# EAGLE board Mk4 Final a Panel score (EAGLE 9.0.1), part 12 of 24
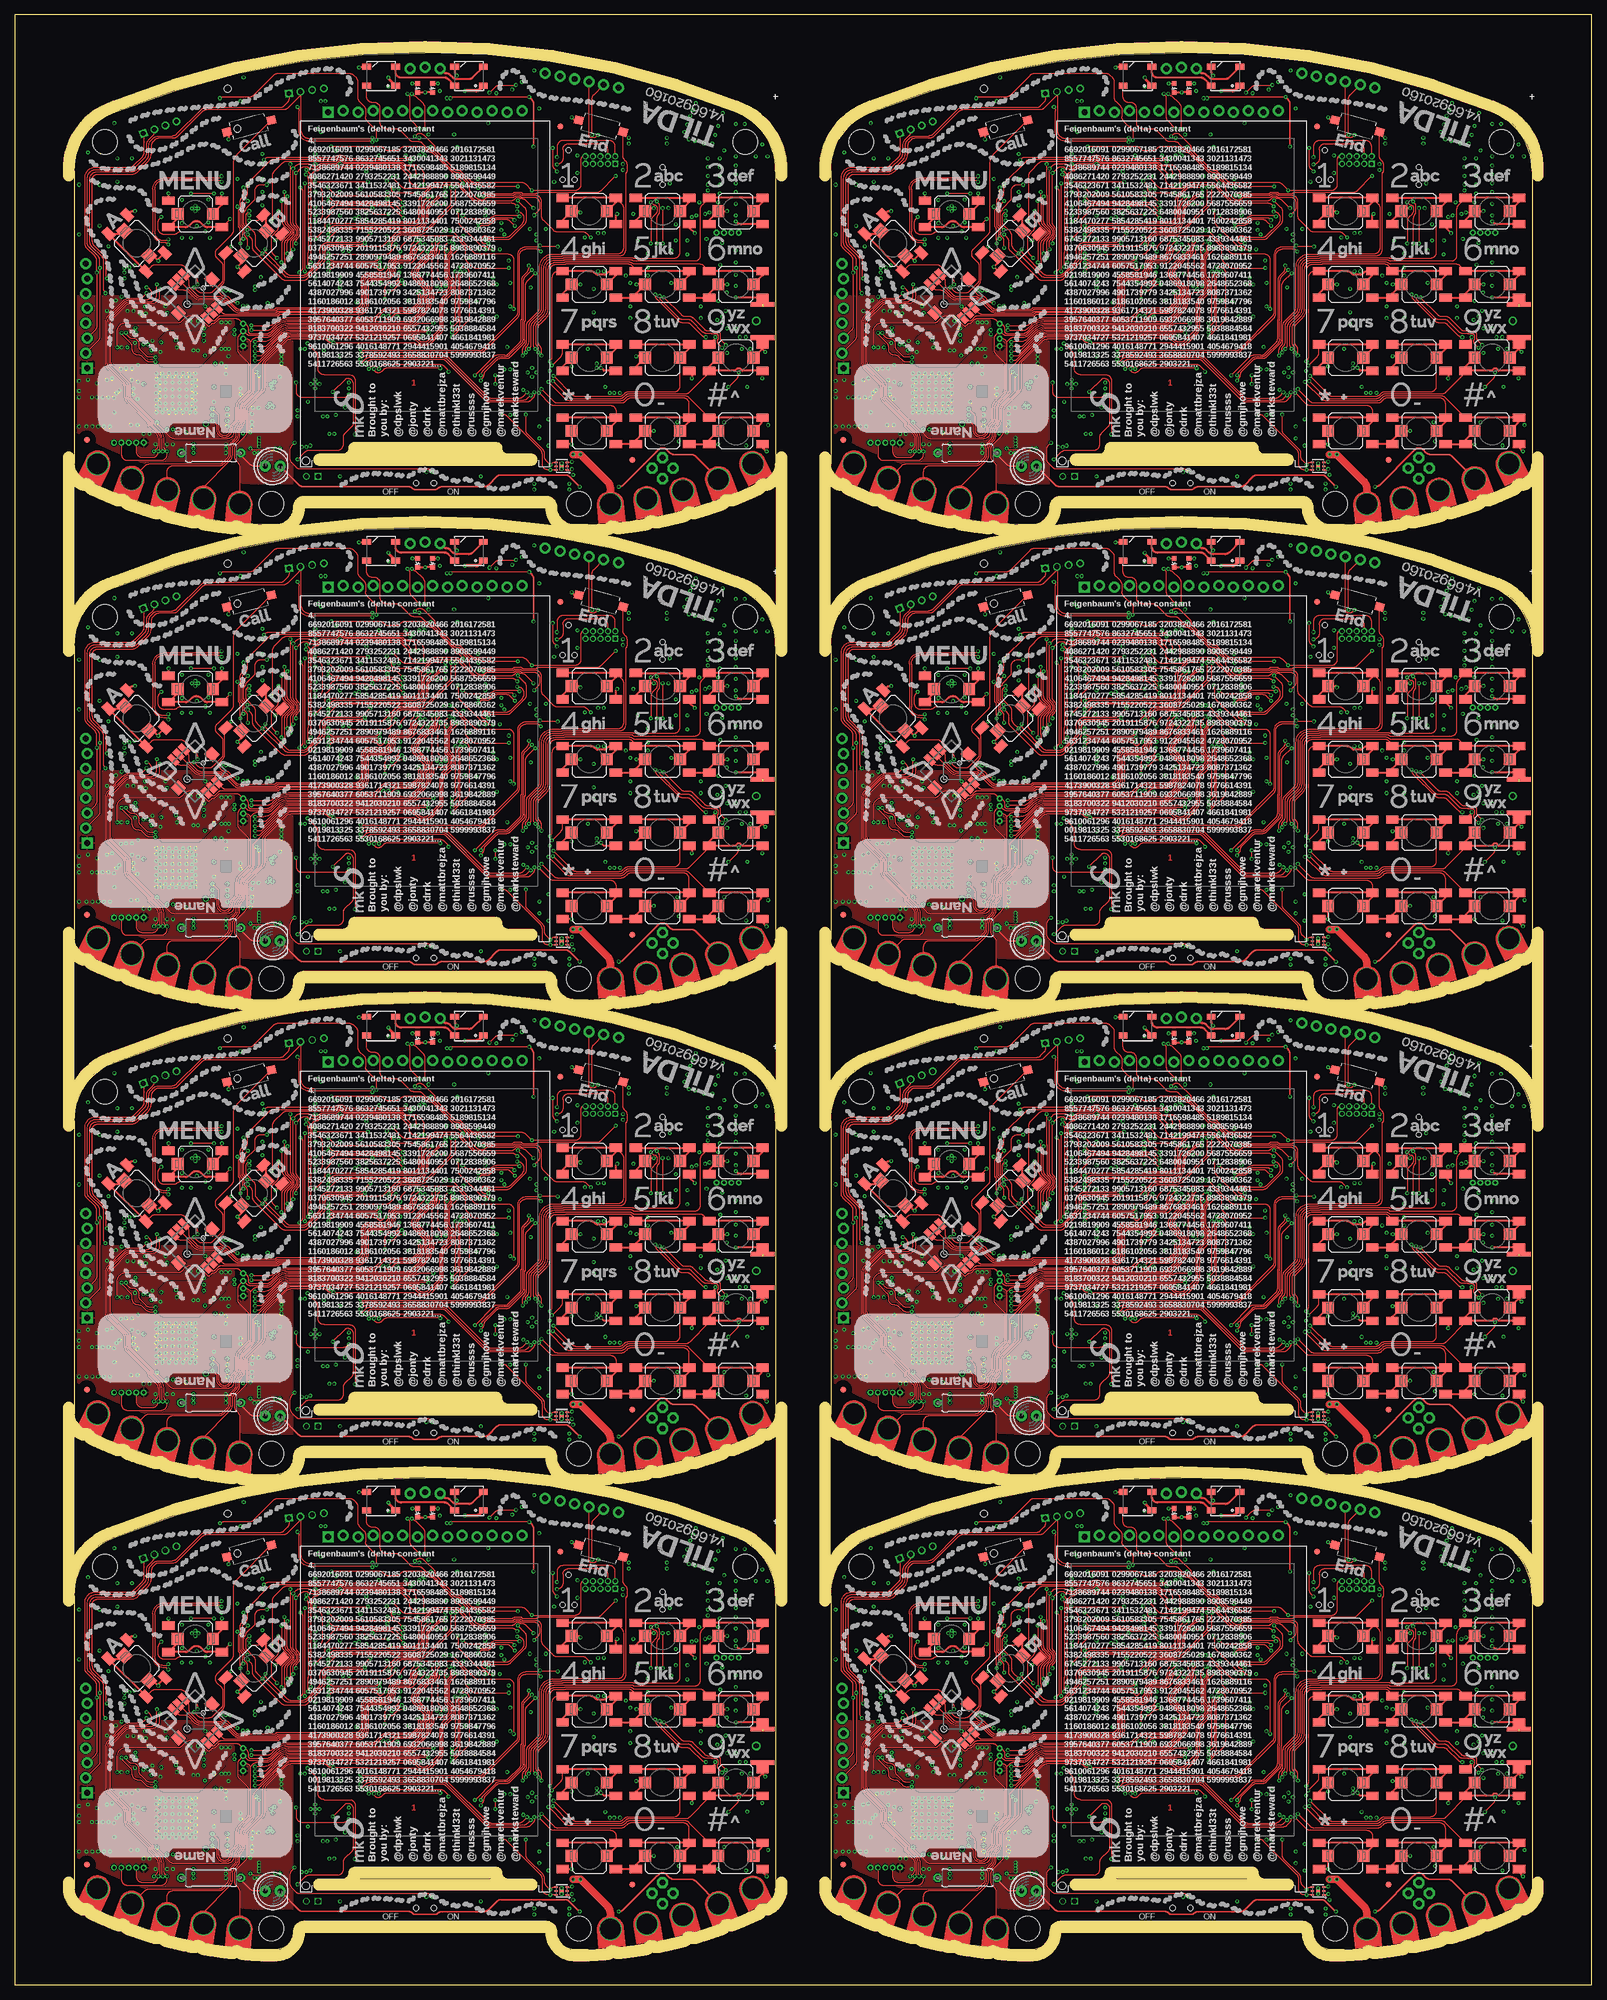
[diagram p0: board, top side]
## Tracks (layer width: path | path; a pad name or v marks a point on that pad's centre or on a via) (continued)
GND4  (via drill 0.3)  (1 unrouted) (continued)
  Top 0.3: S91.1 105.95,194.95 S91.A1 | S87.A1 93.45,194.95 S87.1 v95,195 | S88.A1 93.45,182 93.7,181.75 v95,181.75 S88.1 | S96.1 118.45,182.45 S96.A1 | S95.1 127.55,198.05 S95.A1 | 118.45,219.5 118.45,219.95 S93.1 v121.5,221.5 | 118.45,219.5 S93.A1 | S89.A1 105.95,219.95 S89.1 108,222 v109,222 | S85.A1 93.45,219.95 S85.1 96.25,221.5 v96.5,221.25 | S86.A1 93.45,207.45 S86.1 v96.5,209 | 105.95,207 105.95,207.45 S90.1 v106.05,209 | 105.95,207 S90.A1 | S85.A2 102.55,220.8 v102.75,221 | 118.2,219.25 118.45,219.5 | S94.A2 v123,206.75 | v121.5,209 S94.1 118.45,207.45 S94.A1 S90.A2 | 102.5,194.3 S87.A2 100.5,194.25 v100,194.75 | S91.1 107,197 | S96.A2 127.5,181.75 127.5,181.25 v128.25,180.5 | S92.A2 S96.A1 | v109,184 S92.1 105.95,182.45 S92.A1 S88.A2 | S86.A2 105.7,206.75 105.95,207 | S101.1 95.49,237.01 v95,237.5 | LED27.C v70.03,241.75 LED28.C | LED25.3 59.95,246 v58.75,246 | S93.A2 123.91,219.25 arc-45 123.21,219.54 v123,219.75 | 25.61,214.39 S98.A1 24.5,213.26 v24.5,213 23.62,213.88 S98.1 | S98.A2 19.57,221.21 arc-45 20.28,221.5 v20.5,221.5 | S96.A1 v120,181.75 | S89.A2 115.05,218.7 v116,217.75 | S91.1 107.25,196.75 v106,196.75 | S91.A2 115.5,193.8 v115.5,193 | S99.A2 v26.25,224.5 | S99.1 35.35,222.55 S99.A1 v35.35,224.5 | S100.1 36.5,234.72 v36.5,233.75 | S97.A1 38.81,211.19 v38,212 38.68,212.68 S97.1 | v44.5,216.5 45.61,217.61 S97.A2 | LED26.3 75.05,245.36 arc45 75.34,244.66 v75.4,244.6 | S95.A2 119.5,199.8 v119.5,200 | S95.A1 127.55,197.95 v128,197.5 | S95.A1 127.53,198.76 J49.G@4
  Top 0.4: S94.A2 127.53,206.74 J49.G@3
  GND@3 0.4: v32.45,196.85 29.8,194.2 v29.8,193.85 | v27.5,199.5 26.75,198.75 26.75,194.6 v27.5,193.85 | v25,199.1 25.75,198.35 25.75,194.4 v26.3,193.85
  Bottom 0.15: J41.32 66.75,206.25 | J41.31 67.25,206 | J41.30 67.75,206 | J41.29 68.25,206 | J41.28 68.75,206 | J41.27 69.25,206 | J41.26 69.75,206 | J41.25 70.25,206 | J41.24 70.75,206 | J41.23 71.25,206 | J41.22 71.75,206 | J41.21 72.25,206 | J41.20 72.75,206 | J41.19 73.25,206 | J41.18 73.75,206 | J41.17 74.25,206 | J41.16 74.75,206 | J41.15 75.25,206 | J41.14 75.75,206 | J41.13 76.25,206 | J41.12 76.75,206 | J41.11 77.25,206 | IC74.58 v63.6,224.8 | IC74.55 v63.6,223.6 | IC77.3 85.05,242 v84.85,242.2 | ANT10.3 116.79,239.9 v116.15,239.9 | v115.7,238.75 115.8,238.65 115.94,238.65 115.84,238.75 v115.7,238.75 | ANT10.2 116.05,238.4 v115.7,238.75 | ANT10.4 120.28,238.2 v120.75,238.2 | IC83.PAD v28.1,191.1 | IC83.PAD v26.9,191.1 | IC83.PAD v26.9,189.9 | IC83.PAD v28.1,189.9 | v26.9,192.3 27.5,192.9 v27.5,193.85 | v26.3,193.85 26.3,192.9 v25.7,192.3 25.75,192.35 | v29.3,192.3 29.3,193.35 v29.8,193.85 | v85.5,186.75 C534.2 86,187.5 arc90 86.5,188 86.5,188.5 arc90 86,189 IC86.2 85.46,189 arc45 85.1,188.85 84.9,188.65 arc-45 84.54,188.5 IC86.4 | C536.2 94.45,178.5 | v111.25,234 C485.2 | C488.2 v111.25,233 | C486.2 v104.75,234 | C484.2 v104.75,233 | v28.55,223.4 28.25,223.7 R389.2
  Bottom 0.2: C447.1 72.6,211.85 IC74.10 | IC74.17 69.8,212.01 arc-45 69.65,211.65 C446.1 v69.5,210.75 | IC74.48 61.46,220.8 arc-45 C444.1 | IC74.114 78.74,220.4 arc45 79.44,220.69 C443.1 | IC74.80 69.8,230.05 69.97,230.22 | X20.4 17.88,189.43 17.7,189.6 v16.9,189.6 | X20.2 19.73,185.07 v19.8,185 | IC85.23 85.8,194.75 arc-45 85.66,194.81 85.25,195.22 arc-90 85.25,195.25 | 85.25,195.25 v85.25,195.5 | IC85.24 85.25,195.25 | IC85.18 87,191.25 v86.75,191 | IC85.9 v91.25,194.25 | IC78.17 50.5,189.5 v50,189 IC78.18 | J44.GND4 121,184.05 | 94.45,178.5 arc45 v95.05,178.75 | v35.3,225.5 C538.2 | IC80.4 91.97,225.72 C503.1
  Bottom 0.25: J41.50 57.75,205.45 v58.25,205.95 | J41.49 v58.25,205.95 | J41.48 58.75,205.45 v58.25,205.95 | J41.43 61.25,206 | J41.6 v79.75,203.5 | v72,208.75 72,209.62 C448.1 72.25,210.12 C447.1 | v60,221.1 C444.1 | v80.25,220.75 C443.1 | v70,231 C445.1 69.97,230.22 | C442.1 C450.1 v71,232.45 | v59,225.25 R321.2 | C449.1 69.05,232.25 v69.65,231.65 | v79.5,176.25 S103.1 | v55.5,176.25 S104.1 | C453.1 v66.7,231 | C452.1 v62.1,231 | v75.5,232.45 C451.1 | R383.2 v29.25,183.75 | v31.35,221.95 IC82.PAD v30.8,221.5 | C468.2 42.88,183.22 | v89.45,239 C439.1 | v72.5,242 C437.1
  Bottom 0.3: 81.45,242.3 v82.15,241.6 | v36,195 R382.2 | v18.25,198.25 C511.1 | v20.5,199 20.62,198.88 C516.2 | v100.5,211.25 C494.2 | v99.5,211.25 C491.2 | v100.5,217.75 C490.2 | C492.2 v99.5,217.75 | IC75.8 104.1,210.65 v104.25,210.5 | R356.2 v98.75,208.25 | R348.2 v98.75,202.25 | R355.2 v98.75,204.25 | IC75.13 106.1,216.65 v106.25,216.5 | IC75.21 114.9,216.65 v114.75,216.5 | Q19.2 98.65,198.15 R346.2 v97.75,198 | C503.1 v92,226.5 | v96,228 95.91,228.09 JP37.5 | C496.1 v103.75,229.5 | IC81.7 97.19,217.81 R367.1 v97.25,217 | v105.5,221 C481.1 | v109,222 108.5,221.5 C480.1 | C479.1 v111.5,222 | J44.GND3 115.21,194.06 arc-45 115.5,193.36 v115.5,193 | 127.38,196.5 J44.GND2 127.5,196.59 arc-45 127.79,197.29 v128,197.5 | 128.17,194 J44.C4 127.79,193.74 arc45 127.5,193.04 v127.5,193 | v128.5,185 128.38,185 J44.GND1 | v113.25,182.25 R371.2 114.92,182.25 Q18.2 | C482.1 v124.75,181.5 | J44.C5 120.85,185.65 v121,185.5 121,184.05 | v113,185.5 113.23,185.27 114.25,185.27 J44.GND6 | C436.1 v80.25,215 | C441.1 v83,218.25 | C440.1 v83,219.5 | Q17.4 Q17.EP2 | C462.1 v55.5,210.25 | IC73.28 41.07,210.25 v42,210.25 | C458.1 v38,222.25 | IC73.46 42.2,224.7 v42.25,224.75 | C461.1 v38,227 | IC73.54 41.89,231.1 arc45 v42.25,231.25 | IC73.52 v42.25,229.5 | C460.1 v54.75,231.75 | C456.1 v55.5,229.5 | IC73.6 51.4,227.1 v51.25,227.25 | C457.1 v55.5,224.75 | C459.1 v55.5,220.75 | R331.1 v57,191.25 | R333.2 v57,192.25 | R335.2 52.15,197.5 arc45 v52.75,197.75 | v36,208 C477.1 | v36.75,208 36.75,207.5 C477.1 | v35.25,208 35.25,207.5 C477.1 | IC73.12 51.3,222.3 v51.25,222.25 | R375.2 v19.25,204.45 | R376.2 v20.25,204.45 | R363.2 v89,216.5 | v30.05,216.95 C509.2 | v112.75,216.5 112.7,216.55 IC75.19 112.7,219.2 v112.75,219.25
  Bottom 0.3: R373.2 39.95,183.5 v40.2,183.75 | IC85.25 v87.5,194 | v70.6,234.55 70.67,234.55 X18.4 | X18.2 74.83,234.55 v74.95,234.55 | v86.5,243.5 C454.1 | v88.6,245.5 R325.2 | C438.1 v80.75,236.5 | C495.1 v87.9,218.45 | J46.8 J46.4 | J48.8 J48.4 | IC73.41 40.05,220.7 v40,220.75 | J44.GND5 121.11,196.91 v121.5,197.3 120.94,197.3 arc-45 120.23,197.59 IC79.3 | IC75.33 117.3,202.95 v117,203.25 | v121.45,207.6 C497.1 | v120.7,202.5 D10.2 | v120.7,203.5 C498.1 | v15.75,192.75 C501.1 | v12.5,192.75 C502.1 | 36.55,198.8 C519.2 35.95,198.8 | IC89.2 v94.6,175 | C539.2 v88.6,174 | IC89.3 v94.6,174 | v117,205.25 117.1,205.15 IC75.31
  Bottom 0.35: v36.55,198 36.55,198.8 | v35.95,198 35.95,198.8
  Bottom 0.4: C521.2 32.1,196.5 v32.45,196.85 | v35.25,195.5 C515.2 | v36,193.75 C527.2 | C517.2 32.12,201.62 v32.25,201.5 | C517.2 v31.25,202.75 | v30,202.75 C518.2 C517.2 | C522.2 26.9,198.9 v27.5,199.5 27.4,199.4 | C520.2 v25,199.1 | v23.5,199.4 24.1,198.8 C514.2 | v38.5,190.25 C532.1 | v38.5,191.25 C533.1 | v36.25,186.75 C528.2 | C524.2 v34,189 | C510.1 v25.75,205.25 | C530.1 v20.95,189.5 | C526.2 v20.25,190.25 | C512.2 v20.25,191.25 | C531.1 v20.95,185 | R374.2 v22,183.5 | R377.2 v23,183.5 | R384.2 v24,181.75 | C529.2 v27,181.75 | C523.2 v26,181.75 | v36.5,196.75 C525.2 35.4,197.64 arc45 v35.25,198 | IC84.4 19.12,210.16 arc45 v18.75,210 | v36.25,184.75 R341.2 | v83.5,194.5 C455.1 | v48.25,186.5 48.85,186.5 C475.2 48.85,187.5 v48.25,187.5 | S102.2 69.4,177 v70.25,177 | Q17.EP2 84.4,205.35 v84.5,205.25 | v84.5,209.25 IC76.4 | 46.75,196.75 C476.2 46.38,196.25 v45.5,196.25 | 46.62,197 v45.5,197 | C472.2 45.6,195.4 v45.5,195.5 | v45.25,193.25 45.25,192.32 C473.1 | 11,189.6 v11,189.75 ANT9.4 | ANT9.3 v11,184.75 | ANT9.2 12.25,185.7 v12.25,184.75 | C478.1 v36,181 | C478.1 35.5,181.75 v36,181.75 | C478.1 35.5,180.25 v36,180.25 | J47.4 38.94,239.81 v38.5,240.25 | C435.2 63.88,242.62 v63.75,242.75 | IC90.3 97.26,176.15 arc-45 96.56,176.44 C540.2 95.68,176.68 arc-45 v95.25,176.5 | TP93.TP 41.75,188.1 v41.6,187.95
  Bottom 0.5: v22.35,204.05 22.35,203.5 C513.2 21.35,203.5 v21.35,204.05
  Bottom 1: J42.1 91.05,182.8 C470.2 | C470.2 89.6,182.85 v89.5,182.75 | C470.2 v91,181.5 | v56.35,188 C471.2 54.65,186.85 v54.75,186.75
  other vias: 67.25,206.25 76.75,206.25 60.9,209.15 30.8,222.4 30.25,221.95 120.7,216.1 120.35,212.35 120,236 119.5,234.5 119,233 117.5,233 116,233.5 115,233.75 114.25,235 114.75,236.25 115.25,237.75 25.7,191.1 25.7,189.9 25.7,188.7 26.9,188.7 28.1,188.7 29.3,188.7 29.3,189.9 29.3,191.1 28.1,192.3 21,195.25 21,192.35 17,187.2 16.25,184.75 15.25,184.75 14.25,184.75 13.25,184.75 16,189.75 15,189.75 14,189.75 13.2,189.75 89,194 88.25,194.75 88.25,193.25 99.25,195.5 99.25,194.75 124,198 123,208.75 123,210.65 123,212.75 123,214.75 123,220.75 123,222.75 123,224.75 123,229.25 123,230.85 126.4,230.85 128.4,230.85 51.25,192 52,192 51.25,192.75 51.25,191.25 50.5,192 33.3,216.95 28.55,216.95 28.55,219.45 33.05,219.55 33.05,223.45 41.7,182.85 41.7,182.35 41.7,181.35 41.7,181.85 40.9,180.25 41.6,180.25 40.6,187.95 40.5,186.95 40.5,184.75 40.5,185.55 24.75,191.1 24.75,189.9 24.75,188.7 24.75,192.3 30.25,191.1 30.25,189.9 30.25,188.7 30.25,192.3 25.7,187.75 26.9,187.75 28.1,187.75 29.3,187.75 25.7,193.25 26.9,193.25 28.1,193.25 29.3,193.25 30.25,187.75 30.25,193.25 24.75,193.25 24.75,187.75 28.7,193.85 25.2,193.85 24.15,193.85 24.15,192.8 27.5,187.15 28.7,187.15 29.9,187.15 26.3,187.15 25.2,187.15 30.85,190.45 30.85,189.25 30.85,188.05 30.85,191.65 24.15,190.5 24.15,189.3 24.15,188.2 24.15,191.7 30.85,192.75 30.85,193.85 30.85,187.15 24.15,187.15 124.7,200 123.7,200 125.5,198 120,206.2 14.5,226 14.5,219 17.5,226.5 17.5,230.5 20,230.5 17,236.5 12.5,231.5 11,226 11,217.5 16,215.5 17.25,206.25 11,192.5 108,203.25 105,203.25 105,205.25 105,209.25 112,209.25 114.7,214.1 112,214.75 118,216.75 121.5,201.5 121.25,204.5 123,226.25 123,227.75 121,231.85 123,236.35 127.5,232.85 124.5,236.35 119.85,202.95 123,201.5 16.6,192.95 17.35,190.45 17.85,190.95 20,192.7 19,194.7 20,194.7 18.1,194.6 120.25,230.5 118.25,230.5 120.25,229 118.25,229 120.25,227.5 118.25,227.5 120.25,226 118.25,226 120.25,224.5 118.25,225 116.75,223 116.25,220.75 115.5,220.5 117.75,221 118.5,221.25 120,223 15.75,204.5 14,192.15 11,190.85 108,214.25 108,210.5 108,211.9
  pour GND@3 (isolate 0.254, rank 6): 10.2,230.5 10.2,177 arc31 42,168 44.7,168 arc90 47.5,170.8 arc-90 49.5,172.8 90.5,172.8 arc-90 92.5,170.8 arc90 95.3,168 98,168 arc31 129.8,177 129.8,200.5 123.5,200.5 123.5,230.5 129.8,230.5 arc64 123.25,238.25 arc24 70,248.5 arc24 16.75,238.25 arc55
  pour Bottom (rank 6): 77.25,204.9 77.25,206.25 77,206.5 67,206.5 66.75,206.25 66.75,204.9
  pour Bottom (isolate 0.254, rank 6): 10.2,230.5 10.2,184 arc9 21,179 21,191 23,191 23,197 21,197 21,199 arc90 20,200 19,200 arc-90 18,201 18,221.71 arc-90 30.79,234.5 38.5,234.5 42,238 100.5,237.5 arc-90 103,235 103,200.5 114.09,200.5 arc-45 114.79,200.21 117.21,197.79 arc45 117.91,197.5 129.8,197.5 129.8,200.5 123.5,200.5 123.5,230.5 129.8,230.5 arc64 123.25,238.25 arc24 70,248.5 arc24 16.75,238.25 arc55
  pour Bottom (rank 2, no thermals): 111.5,201 113,201 113,198.5 112.41,198.5 arc45 111.71,198.21 111.29,197.79 arc45 111,197.09 111,195 arc-90 110,194 99.5,194 arc-90 98.5,195 arc-90 99.5,196 107.75,196 arc90 108.75,197 108.75,197.09 arc-45 109.04,197.79 109.71,198.46 arc-45 110.41,198.75 110.59,198.75 arc45 111.29,199.04 111.5,199.25
  pour Bottom (no thermals): 61.5,207.5 61.5,206.2 61.3,206 61.2,206 61,206.2 61,207.25 60.5,207.75 60.5,209.3 60.7,209.5 61.05,209.5 61.25,209.3 61.25,207.75
  pour Bottom: 33.55,216.95 33.55,222.95 arc90 32.55,223.95 29.05,223.95 arc90 28.05,222.95 28.05,216.95 arc90 29.05,215.95 32.55,215.95 arc90
  pour Bottom (no thermals): 47.4,195 47.4,196.1 47.2,196.3 47.2,197.05 47,197.25 45.75,197.25 45.25,196.75 45.25,195.25 45.5,195
  pour Bottom (no thermals): 41.9,182.8 41.9,180.3 arc-90 41.4,179.8 40.45,179.8 arc-90 39.95,180.3 39.95,187.65 arc-90 40.45,188.15 41.55,188.15 arc-90 42.05,187.65 42.05,184.1 arc90 42.55,183.6 43.8,183.6 43.85,183.55 43.85,182.9 43.75,182.8
  pour Top (rank 6): 10.2,207 10.2,184 arc34 47,175 47.5,175 47.5,207
GND5  (via drill 0.3)  (1 unrouted)
  Top 0.15: IC106.3 223.3,178.65 223.25,178.6 IC106.2 | v222.3,177.5 IC106.PAD v222.3,178.5
  Top 0.2: 223.3,178.65 223.95,178.65 v224.05,178.75
  Top 0.3: S112.1 234.95,194.95 S112.A1 | S108.A1 222.45,194.95 S108.1 v224,195 | S109.A1 222.45,182 222.7,181.75 v224,181.75 S109.1 | S117.1 247.45,182.45 S117.A1 | S116.1 256.55,198.05 S116.A1 | 247.45,219.5 247.45,219.95 S114.1 v250.5,221.5 | 247.45,219.5 S114.A1 | S110.A1 234.95,219.95 S110.1 237,222 v238,222 | S106.A1 222.45,219.95 S106.1 225.25,221.5 v225.5,221.25 | S107.A1 222.45,207.45 S107.1 v225.5,209 | 234.95,207 234.95,207.45 S111.1 v235.05,209 | 234.95,207 S111.A1 | S106.A2 231.55,220.8 v231.75,221 | 247.2,219.25 247.45,219.5 | S115.A2 v252,206.75 | v250.5,209 S115.1 247.45,207.45 S115.A1 S111.A2 | 231.5,194.3 S108.A2 229.5,194.25 v229,194.75 | S112.1 236,197 | S117.A2 256.5,181.75 256.5,181.25 v257.25,180.5 | S113.A2 S117.A1 | v238,184 S113.1 234.95,182.45 S113.A1 S109.A2 | S107.A2 234.7,206.75 234.95,207 | S122.1 224.49,237.01 v224,237.5 | LED33.C v199.03,241.75 LED34.C | LED31.3 188.95,246 v187.75,246 | S114.A2 252.91,219.25 arc-45 252.21,219.54 v252,219.75 | 154.61,214.39 S119.A1 153.5,213.26 v153.5,213 152.62,213.88 S119.1 | S119.A2 148.57,221.21 arc-45 149.28,221.5 v149.5,221.5 | S117.A1 v249,181.75 | S110.A2 244.05,218.7 v245,217.75 | S112.1 236.25,196.75 v235,196.75 | S112.A2 244.5,193.8 v244.5,193 | S120.A2 v155.25,224.5 | S120.1 164.35,222.55 S120.A1 v164.35,224.5 | S121.1 165.5,234.72 v165.5,233.75 | S118.A1 167.81,211.19 v167,212 167.68,212.68 S118.1 | v173.5,216.5 174.61,217.61 S118.A2 | LED32.3 204.05,245.36 arc45 204.34,244.66 v204.4,244.6 | S116.A2 248.5,199.8 v248.5,200 | S116.A1 256.55,197.95 v257,197.5 | S116.A1 256.53,198.76 J59.G@4
  Top 0.4: S115.A2 256.53,206.74 J59.G@3
  GND@3 0.4: v161.45,196.85 158.8,194.2 v158.8,193.85 | v156.5,199.5 155.75,198.75 155.75,194.6 v156.5,193.85 | v154,199.1 154.75,198.35 154.75,194.4 v155.3,193.85
  Bottom 0.15: J51.32 195.75,206.25 | J51.31 196.25,206 | J51.30 196.75,206 | J51.29 197.25,206 | J51.28 197.75,206 | J51.27 198.25,206 | J51.26 198.75,206 | J51.25 199.25,206 | J51.24 199.75,206 | J51.23 200.25,206 | J51.22 200.75,206 | J51.21 201.25,206 | J51.20 201.75,206 | J51.19 202.25,206 | J51.18 202.75,206 | J51.17 203.25,206 | J51.16 203.75,206 | J51.15 204.25,206 | J51.14 204.75,206 | J51.13 205.25,206 | J51.12 205.75,206 | J51.11 206.25,206 | IC92.58 v192.6,224.8 | IC92.55 v192.6,223.6 | IC95.3 214.05,242 v213.85,242.2 | ANT12.3 245.79,239.9 v245.15,239.9 | v244.7,238.75 244.8,238.65 244.94,238.65 244.84,238.75 v244.7,238.75 | ANT12.2 245.05,238.4 v244.7,238.75 | ANT12.4 249.28,238.2 v249.75,238.2 | IC101.PAD v157.1,191.1 | IC101.PAD v155.9,191.1 | IC101.PAD v155.9,189.9 | IC101.PAD v157.1,189.9 | v155.9,192.3 156.5,192.9 v156.5,193.85 | v155.3,193.85 155.3,192.9 v154.7,192.3 154.75,192.35 | v158.3,192.3 158.3,193.35 v158.8,193.85 | v214.5,186.75 C642.2 215,187.5 arc90 215.5,188 215.5,188.5 arc90 215,189 IC104.2 214.46,189 arc45 214.1,188.85 213.9,188.65 arc-45 213.54,188.5 IC104.4 | C644.2 223.45,178.5 | v240.25,234 C593.2 | C596.2 v240.25,233 | C594.2 v233.75,234 | C592.2 v233.75,233 | v157.55,223.4 157.25,223.7 R467.2
  Bottom 0.2: C555.1 201.6,211.85 IC92.10 | IC92.17 198.8,212.01 arc-45 198.65,211.65 C554.1 v198.5,210.75 | IC92.48 190.46,220.8 arc-45 C552.1 | IC92.114 207.74,220.4 arc45 208.44,220.69 C551.1 | IC92.80 198.8,230.05 198.97,230.22 | X24.4 146.88,189.43 146.7,189.6 v145.9,189.6 | X24.2 148.72,185.07 v148.8,185 | IC103.23 214.8,194.75 arc-45 214.66,194.81 214.25,195.22 arc-90 214.25,195.25 | 214.25,195.25 v214.25,195.5 | IC103.24 214.25,195.25 | IC103.18 216,191.25 v215.75,191 | IC103.9 v220.25,194.25 | IC96.17 179.5,189.5 v179,189 IC96.18 | J54.GND4 250,184.05 | 223.45,178.5 arc45 v224.05,178.75 | v164.3,225.5 C646.2 | IC98.4 220.97,225.72 C611.1
  Bottom 0.25: J51.50 186.75,205.45 v187.25,205.95 | J51.49 v187.25,205.95 | J51.48 187.75,205.45 v187.25,205.95 | J51.43 190.25,206 | J51.6 v208.75,203.5 | v201,208.75 201,209.62 C556.1 201.25,210.12 C555.1 | v189,221.1 C552.1 | v209.25,220.75 C551.1 | v199,231 C553.1 198.97,230.22 | C550.1 C558.1 v200,232.45 | v188,225.25 R399.2 | C557.1 198.05,232.25 v198.65,231.65 | v208.5,176.25 S124.1 | v184.5,176.25 S125.1 | C561.1 v195.7,231 | C560.1 v191.1,231 | v204.5,232.45 C559.1 | R461.2 v158.25,183.75 | v160.35,221.95 IC100.PAD v159.8,221.5 | C576.2 171.88,183.22 | v218.45,239 C547.1 | v201.5,242 C545.1
  Bottom 0.3: 210.45,242.3 v211.15,241.6 | v165,195 R460.2 | v147.25,198.25 C619.1 | v149.5,199 149.62,198.88 C624.2 | v229.5,211.25 C602.2 | v228.5,211.25 C599.2 | v229.5,217.75 C598.2 | C600.2 v228.5,217.75 | IC93.8 233.1,210.65 v233.25,210.5 | R434.2 v227.75,208.25 | R426.2 v227.75,202.25 | R433.2 v227.75,204.25 | IC93.13 235.1,216.65 v235.25,216.5 | IC93.21 243.9,216.65 v243.75,216.5 | Q23.2 227.65,198.15 R424.2 v226.75,198 | C611.1 v221,226.5 | v225,228 224.91,228.09 JP46.5 | C604.1 v232.75,229.5 | IC99.7 226.19,217.81 R445.1 v226.25,217 | v234.5,221 C589.1 | v238,222 237.5,221.5 C588.1 | C587.1 v240.5,222 | J54.GND3 244.21,194.06 arc-45 244.5,193.36 v244.5,193 | 256.38,196.5 J54.GND2 256.5,196.59 arc-45 256.79,197.29 v257,197.5 | 257.17,194 J54.C4 256.79,193.74 arc45 256.5,193.04 v256.5,193 | v257.5,185 257.38,185 J54.GND1 | v242.25,182.25 R449.2 243.93,182.25 Q22.2 | C590.1 v253.75,181.5 | J54.C5 249.85,185.65 v250,185.5 250,184.05 | v242,185.5 242.23,185.27 243.25,185.27 J54.GND6 | C544.1 v209.25,215 | C549.1 v212,218.25 | C548.1 v212,219.5 | Q21.4 Q21.EP2 | C570.1 v184.5,210.25 | IC91.28 170.07,210.25 v171,210.25 | C566.1 v167,222.25 | IC91.46 171.2,224.7 v171.25,224.75 | C569.1 v167,227 | IC91.54 170.89,231.1 arc45 v171.25,231.25 | IC91.52 v171.25,229.5 | C568.1 v183.75,231.75 | C564.1 v184.5,229.5 | IC91.6 180.4,227.1 v180.25,227.25 | C565.1 v184.5,224.75 | C567.1 v184.5,220.75 | R409.1 v186,191.25 | R411.2 v186,192.25 | R413.2 181.15,197.5 arc45 v181.75,197.75 | v165,208 C585.1 | v165.75,208 165.75,207.5 C585.1 | v164.25,208 164.25,207.5 C585.1 | IC91.12 180.3,222.3 v180.25,222.25 | R453.2 v148.25,204.45 | R454.2 v149.25,204.45 | R441.2 v218,216.5
  Bottom 0.3: v159.05,216.95 C617.2 | v241.75,216.5 241.7,216.55 IC93.19 241.7,219.2 v241.75,219.25 | R451.2 168.95,183.5 v169.2,183.75 | IC103.25 v216.5,194 | v199.6,234.55 199.68,234.55 X22.4 | X22.2 203.82,234.55 v203.95,234.55 | v215.5,243.5 C562.1 | v217.6,245.5 R403.2 | C546.1 v209.75,236.5 | C603.1 v216.9,218.45 | J56.8 J56.4 | J58.8 J58.4 | IC91.41 169.05,220.7 v169,220.75 | J54.GND5 250.11,196.91 v250.5,197.3 249.94,197.3 arc-45 249.23,197.59 IC97.3 | IC93.33 246.3,202.95 v246,203.25 | v250.45,207.6 C605.1 | v249.7,202.5 D12.2 | v249.7,203.5 C606.1 | v144.75,192.75 C609.1 | v141.5,192.75 C610.1 | 165.55,198.8 C627.2 164.95,198.8 | IC107.2 v223.6,175 | C647.2 v217.6,174 | IC107.3 v223.6,174 | v246,205.25 246.1,205.15 IC93.31
  Bottom 0.35: v165.55,198 165.55,198.8 | v164.95,198 164.95,198.8
  Bottom 0.4: C629.2 161.1,196.5 v161.45,196.85 | v164.25,195.5 C623.2 | v165,193.75 C635.2 | C625.2 161.12,201.62 v161.25,201.5 | C625.2 v160.25,202.75 | v159,202.75 C626.2 C625.2 | C630.2 155.9,198.9 v156.5,199.5 156.4,199.4 | C628.2 v154,199.1 | v152.5,199.4 153.1,198.8 C622.2 | v167.5,190.25 C640.1 | v167.5,191.25 C641.1 | v165.25,186.75 C636.2 | C632.2 v163,189 | C618.1 v154.75,205.25 | C638.1 v149.95,189.5 | C634.2 v149.25,190.25 | C620.2 v149.25,191.25 | C639.1 v149.95,185 | R452.2 v151,183.5 | R455.2 v152,183.5 | R462.2 v153,181.75 | C637.2 v156,181.75 | C631.2 v155,181.75 | v165.5,196.75 C633.2 164.4,197.64 arc45 v164.25,198 | IC102.4 148.12,210.16 arc45 v147.75,210 | v165.25,184.75 R419.2 | v212.5,194.5 C563.1 | v177.25,186.5 177.85,186.5 C583.2 177.85,187.5 v177.25,187.5 | S123.2 198.4,177 v199.25,177 | Q21.EP2 213.4,205.35 v213.5,205.25 | v213.5,209.25 IC94.4 | 175.75,196.75 C584.2 175.38,196.25 v174.5,196.25 | 175.62,197 v174.5,197 | C580.2 174.6,195.4 v174.5,195.5 | v174.25,193.25 174.25,192.32 C581.1 | 140,189.6 v140,189.75 ANT11.4 | ANT11.3 v140,184.75 | ANT11.2 141.25,185.7 v141.25,184.75 | C586.1 v165,181 | C586.1 164.5,181.75 v165,181.75 | C586.1 164.5,180.25 v165,180.25 | J57.4 167.94,239.81 v167.5,240.25 | C543.2 192.88,242.62 v192.75,242.75 | IC108.3 226.26,176.15 arc-45 225.56,176.44 C648.2 224.68,176.68 arc-45 v224.25,176.5 | TP112.TP 170.75,188.1 v170.6,187.95
  Bottom 0.5: v151.35,204.05 151.35,203.5 C621.2 150.35,203.5 v150.35,204.05
  Bottom 1: J52.1 220.05,182.8 C578.2 | C578.2 218.6,182.85 v218.5,182.75 | C578.2 v220,181.5 | v185.35,188 C579.2 183.65,186.85 v183.75,186.75
  other vias: 196.25,206.25 205.75,206.25 189.9,209.15 159.8,222.4 159.25,221.95 249.7,216.1 249.35,212.35 249,236 248.5,234.5 248,233 246.5,233 245,233.5 244,233.75 243.25,235 243.75,236.25 244.25,237.75 154.7,191.1 154.7,189.9 154.7,188.7 155.9,188.7 157.1,188.7 158.3,188.7 158.3,189.9 158.3,191.1 157.1,192.3 150,195.25 150,192.35 146,187.2 145.25,184.75 144.25,184.75 143.25,184.75 142.25,184.75 145,189.75 144,189.75 143,189.75 142.2,189.75 218,194 217.25,194.75 217.25,193.25 228.25,195.5 228.25,194.75 253,198 252,208.75 252,210.65 252,212.75 252,214.75 252,220.75 252,222.75 252,224.75 252,229.25 252,230.85 255.4,230.85 257.4,230.85 180.25,192 181,192 180.25,192.75 180.25,191.25 179.5,192 162.3,216.95 157.55,216.95 157.55,219.45 162.05,219.55 162.05,223.45 170.7,182.85 170.7,182.35 170.7,181.35 170.7,181.85 169.9,180.25 170.6,180.25 169.6,187.95 169.5,186.95 169.5,184.75 169.5,185.55 153.75,191.1 153.75,189.9 153.75,188.7 153.75,192.3 159.25,191.1 159.25,189.9 159.25,188.7 159.25,192.3 154.7,187.75 155.9,187.75 157.1,187.75 158.3,187.75 154.7,193.25 155.9,193.25 157.1,193.25 158.3,193.25 159.25,187.75 159.25,193.25 153.75,193.25 153.75,187.75 157.7,193.85 154.2,193.85 153.15,193.85 153.15,192.8 156.5,187.15 157.7,187.15 158.9,187.15 155.3,187.15 154.2,187.15 159.85,190.45 159.85,189.25 159.85,188.05 159.85,191.65 153.15,190.5 153.15,189.3 153.15,188.2 153.15,191.7 159.85,192.75 159.85,193.85 159.85,187.15 153.15,187.15 253.7,200 252.7,200 254.5,198 249,206.2 143.5,226 143.5,219 146.5,226.5 146.5,230.5 149,230.5 146,236.5 141.5,231.5 140,226 140,217.5 145,215.5 146.25,206.25 140,192.5 237,203.25 234,203.25 234,205.25 234,209.25 241,209.25 243.7,214.1 241,214.75 247,216.75 250.5,201.5 250.25,204.5 252,226.25 252,227.75 250,231.85 252,236.35 256.5,232.85 253.5,236.35 248.85,202.95 252,201.5 145.6,192.95 146.35,190.45 146.85,190.95 149,192.7 148,194.7 149,194.7 147.1,194.6 249.25,230.5 247.25,230.5 249.25,229 247.25,229 249.25,227.5 247.25,227.5 249.25,226 247.25,226 249.25,224.5 247.25,225 245.75,223 245.25,220.75 244.5,220.5 246.75,221 247.5,221.25 249,223 144.75,204.5 143,192.15 140,190.85 237,214.25 237,210.5 237,211.9
  pour GND@3 (isolate 0.254, rank 6): 139.2,230.5 139.2,177 arc31 171,168 173.7,168 arc90 176.5,170.8 arc-90 178.5,172.8 219.5,172.8 arc-90 221.5,170.8 arc90 224.3,168 227,168 arc31 258.8,177 258.8,200.5 252.5,200.5 252.5,230.5 258.8,230.5 arc64 252.25,238.25 arc24 199,248.5 arc24 145.75,238.25 arc55
  pour Bottom (rank 6): 206.25,204.9 206.25,206.25 206,206.5 196,206.5 195.75,206.25 195.75,204.9
  pour Bottom (isolate 0.254, rank 6): 139.2,230.5 139.2,184 arc9 150,179 150,191 152,191 152,197 150,197 150,199 arc90 149,200 148,200 arc-90 147,201 147,221.71 arc-90 159.79,234.5 167.5,234.5 171,238 229.5,237.5 arc-90 232,235 232,200.5 243.09,200.5 arc-45 243.79,200.21 246.21,197.79 arc45 246.91,197.5 258.8,197.5 258.8,200.5 252.5,200.5 252.5,230.5 258.8,230.5 arc64 252.25,238.25 arc24 199,248.5 arc24 145.75,238.25 arc55
  pour Bottom (rank 2, no thermals): 240.5,201 242,201 242,198.5 241.41,198.5 arc45 240.71,198.21 240.29,197.79 arc45 240,197.09 240,195 arc-90 239,194 228.5,194 arc-90 227.5,195 arc-90 228.5,196 236.75,196 arc90 237.75,197 237.75,197.09 arc-45 238.04,197.79 238.71,198.46 arc-45 239.41,198.75 239.59,198.75 arc45 240.29,199.04 240.5,199.25
  pour Bottom (no thermals): 190.5,207.5 190.5,206.2 190.3,206 190.2,206 190,206.2 190,207.25 189.5,207.75 189.5,209.3 189.7,209.5 190.05,209.5 190.25,209.3 190.25,207.75
  pour Bottom: 162.55,216.95 162.55,222.95 arc90 161.55,223.95 158.05,223.95 arc90 157.05,222.95 157.05,216.95 arc90 158.05,215.95 161.55,215.95 arc90
  pour Bottom (no thermals): 176.4,195 176.4,196.1 176.2,196.3 176.2,197.05 176,197.25 174.75,197.25 174.25,196.75 174.25,195.25 174.5,195
  pour Bottom (no thermals): 170.9,182.8 170.9,180.3 arc-90 170.4,179.8 169.45,179.8 arc-90 168.95,180.3 168.95,187.65 arc-90 169.45,188.15 170.55,188.15 arc-90 171.05,187.65 171.05,184.1 arc90 171.55,183.6 172.8,183.6 172.85,183.55 172.85,182.9 172.75,182.8
  pour Top (rank 6): 139.2,207 139.2,184 arc34 176,175 176.5,175 176.5,207